# Altium PCB motordriver-v5.2.PcbDoc (part 7 of 7) (continued)
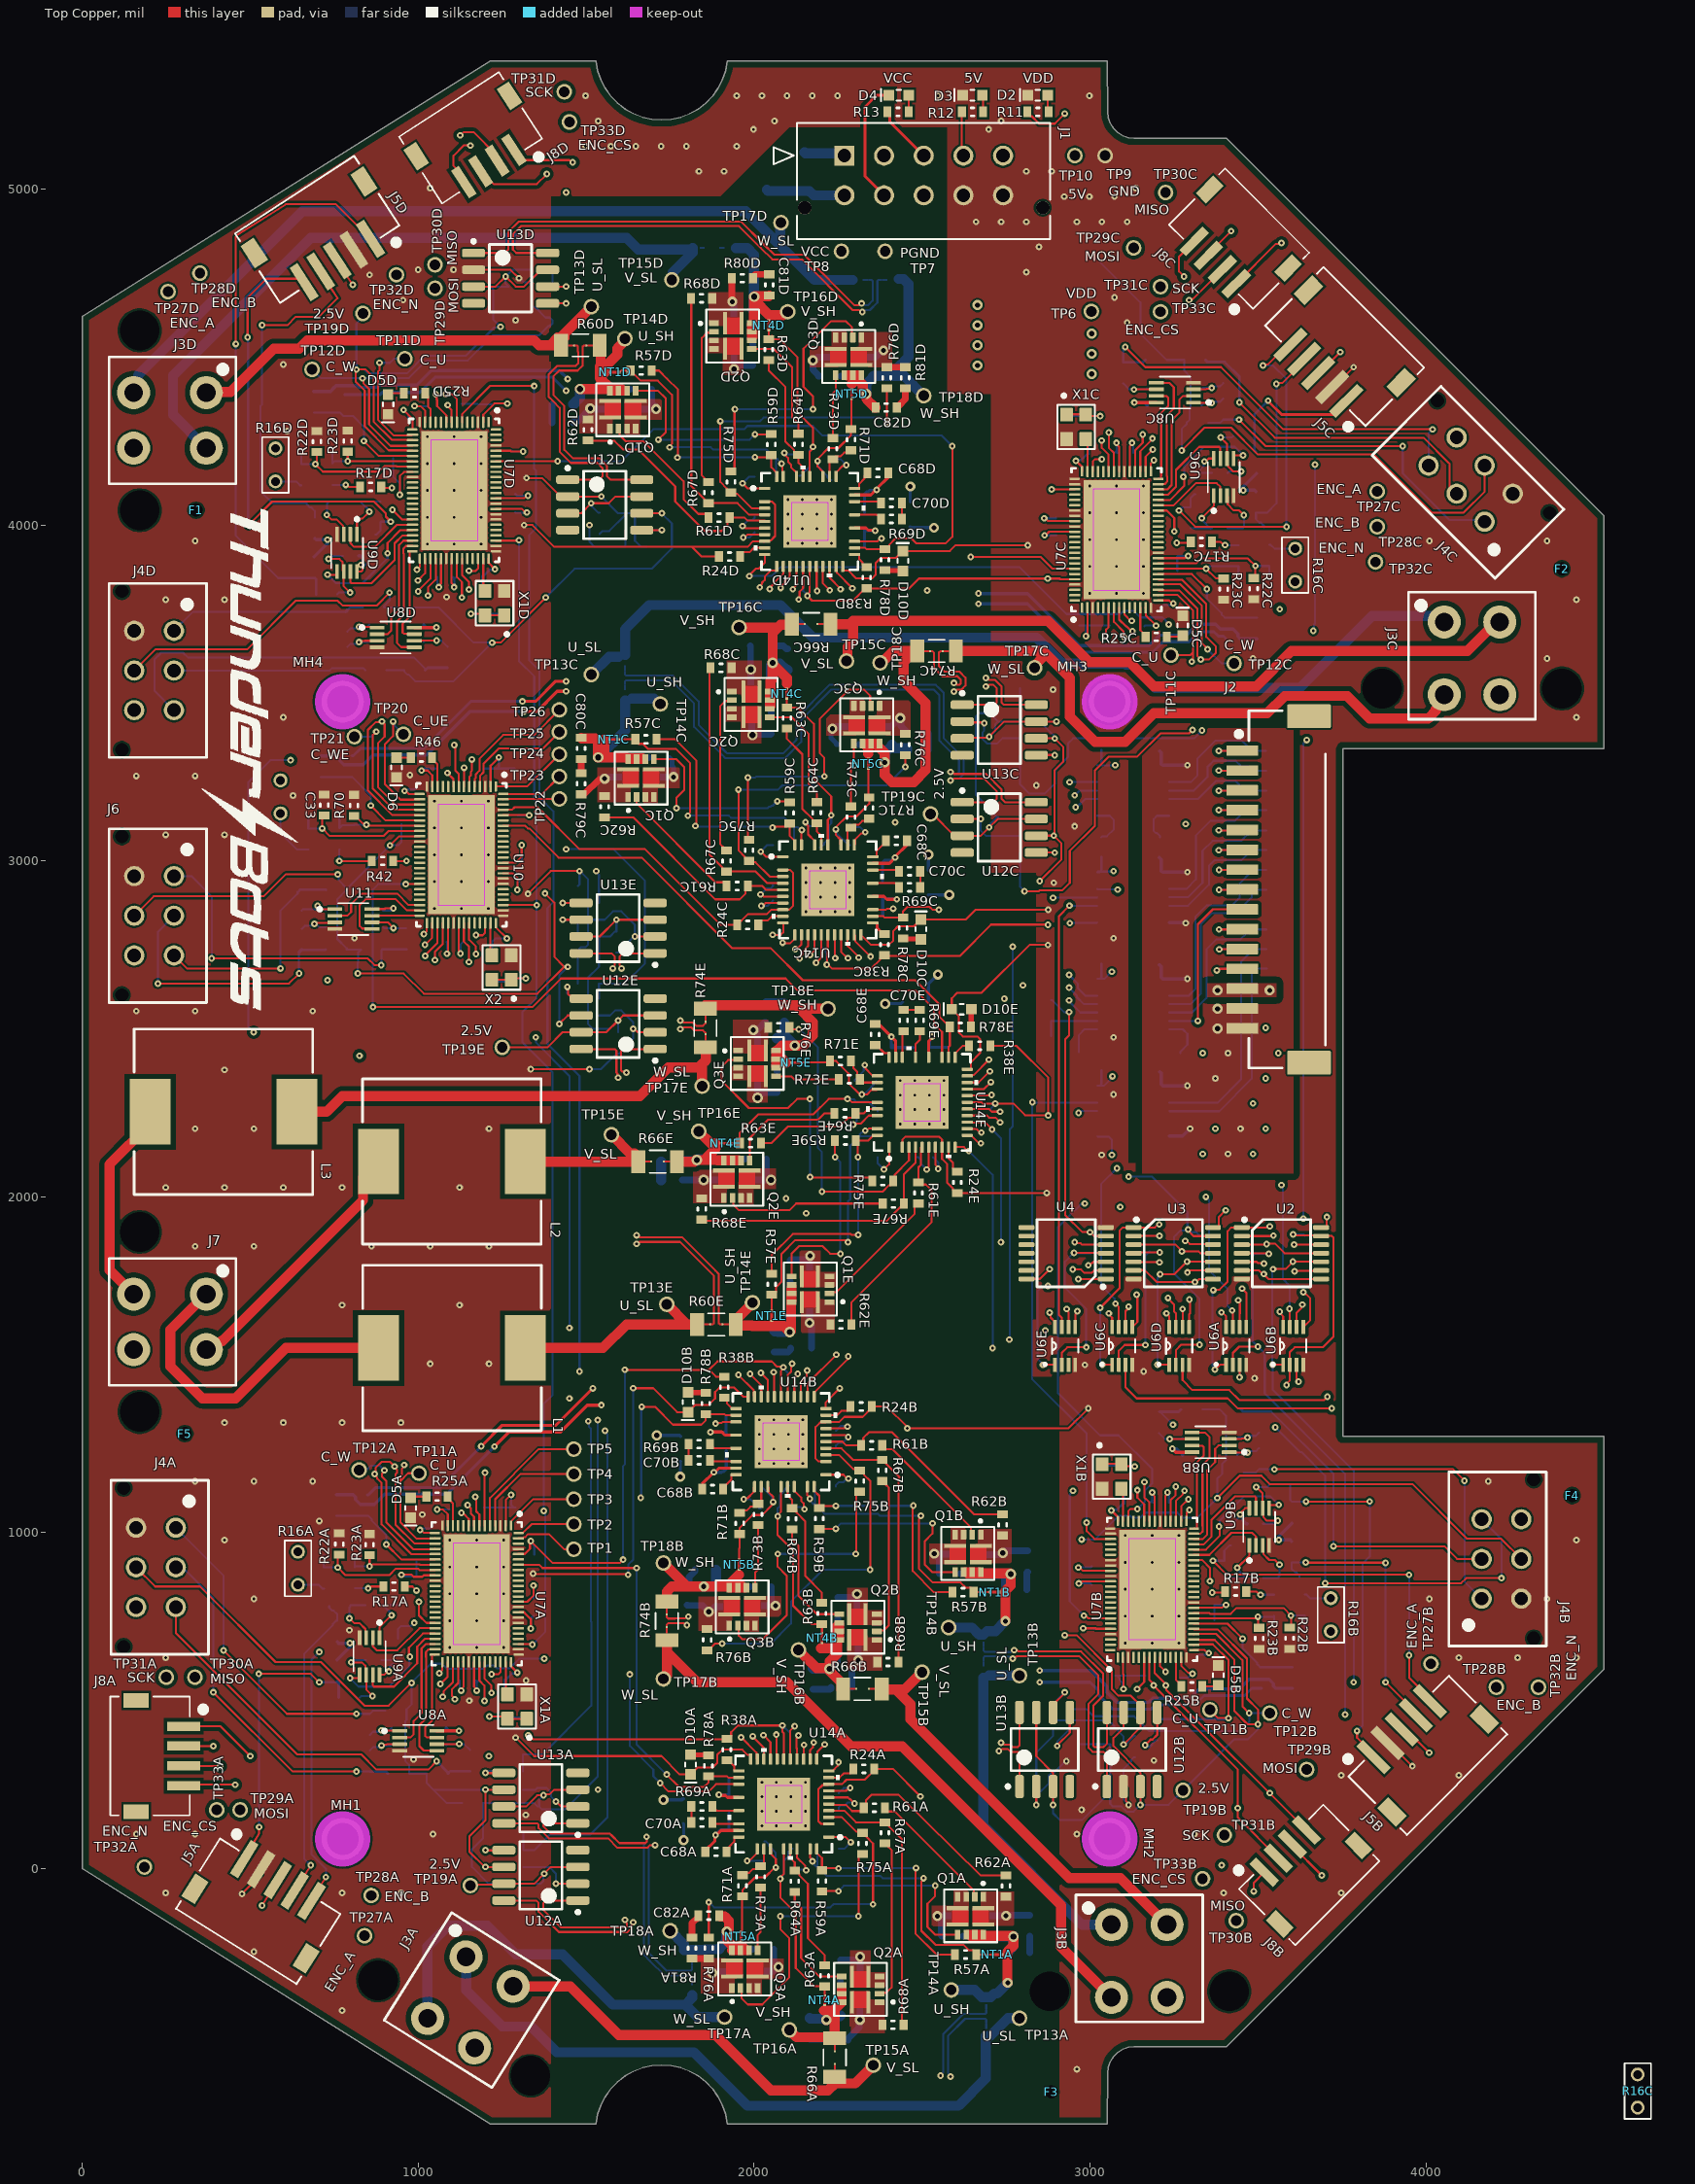
[diagram p0: Top Copper view]
## Nets (pads, with @x,y where several pads share a name; then routed paths per layer and width w, separated by ;. In a path a pad name is that pad's centre, name@x,y a point inside that pad or via, vN(x,y) a via of type N, cw(c..) or ccw(c..) an arc to the next point about the centre after c; other vN are vias at no path point) (continued)
  Top Copper w6: U13A.1@1475.24,135 1375.51,135 1372,131.49 1372,126.51 1394.41,104.1 1570.9,104.1 1575,100 1598.84,76.16 1676.26,76.16 1680,79.9 v1(1680,95)
  Bottom Copper w6: v1(1680,95) 1680,79.9 1672.16,72.06 1672.16,-256.96 1690.15,-274.95 1732.99,-317.79 1811.14,-317.79 1814.65,-321.3 R74A.S1@1814.65,-329.54
W_SENSEA_P: R74A.S2 U13A.8 | length 987.8
  Top Copper w6: U13A.8@1254.76,135 1354.49,135 1358,131.49 1358,120.72 1388.62,90.1 1565.1,90.1 1593.04,62.16 1682.06,62.16 1689.9,70 v1(1705,70)
  Bottom Copper w6: v1(1705,70) 1689.9,70 1686.16,66.26 1686.16,-251.16 1705,-270 1738.79,-303.79 1811.14,-303.79 1814.65,-300.27 R74A.S2@1814.65,-292.04
W_SENSEB_N: R74B.S1 U13B.1 | length 1401.2
  Top Copper w6: R74B.S1@1740,718.73 1740,726.97 1743.51,730.48 1769.67,730.48 1769.88,730.69 1790.6,730.69 1796.3,725 v1(1800,725) ; 2738.08,355.69 2755.93,355.69 2763.85,347.76 2785,347.76 2790,342.76 U13B.1@2790,244.53
  Signal Layer 2 w6: 1809.4,730.69 1819.51,730.69 1826,724.2 1826,559.5 1879.5,506 2494.95,506 2645.55,355.39 2719.76,355.39 2725.07,350.08 v1(2728.77,350.08)
W_SENSEB_P: R74B.S2 U13B.8 | length 1401.6
  Top Copper w6: R74B.S2@1740,756.23 1740,748 1743.51,744.48 1763.87,744.48 1764.08,744.69 1794.52,744.69 1800.21,750.39 v1(1803.91,750.39) ; 2744.01,369.69 2761.73,369.69 2769.65,361.76 2785,361.76 2790,366.76 U13B.8@2790,465
  Signal Layer 2 w6: 1813.31,744.69 1825.31,744.69 1840,730 1840,565.3 1885.3,520 2500.74,520 2651.35,369.39 2725.69,369.39 2731.3,375 v1(2735,375)
W_SENSEC_N: R74C.S1 U13C.1 | length 482.3
  Top Copper w6: R74C.S1@2562.02,3625 2555,3625 2550,3620 2550,3580 2566,3564 2610.8,3564 2629,3545.8 2629,3521.87 2617.28,3510.16 2604.55,3510.16 2598.7,3504.32 v1(2595,3504.32) ; U13C.1@2619.53,3465 2716.28,3465 2722.76,3471.49 2722.76,3513.2 2710.81,3525.16 2699.55,3525.16
  Signal Layer 2 w6: 2604.55,3510.16 2633.8,3510.16 2648.8,3525.16 2680.45,3525.16 2686.3,3519.32 v1(2690,3519.32)
W_SENSEC_P: R74C.S2 U13C.8 | length 481.2
  Top Copper w6: R74C.S2@2524.52,3625 2530,3625 2536,3619 2536,3574.2 2560.2,3550 2605,3550 2615,3540 2615,3527.67 2611.49,3524.16 2604.55,3524.16 2598.7,3530 v1(2595,3530) ; 2699.55,3539.16 2716.6,3539.16 2736.76,3519 2736.76,3471.49 2743.25,3465 U13C.8@2840,3465
  Signal Layer 2 w6: 2604.55,3524.16 2628,3524.16 2643,3539.16 2680.45,3539.16 2686.3,3545 v1(2690,3545)
W_SENSED_N: R74D.S1 U13D.1 | length 1431.3
  Top Copper w6: U13D.1@1164.53,4810 1257.76,4810 1267.76,4820 1267.76,4871.76 1300,4904 1960.8,4904 2024.9,4839.9 2059.8,4805 2148.35,4805 2299.15,4654.2 2310.5,4654.2
  Bottom Copper w6: v1(2320,4660) 2323.7,4660 2329.5,4654.2 2338.84,4654.2 2353,4668.36 2353,4726.49 2349.49,4730 R74D.S1@2341.25,4730
W_SENSED_P: R74D.S2 U13D.8 | length 1431.3
  Top Copper w6: U13D.8@1385,4810 1291.76,4810 1281.76,4820 1281.76,4865.96 1305.8,4890 1955,4890 2019.95,4825.05 2054,4791 2142.55,4791 2293.35,4640.2 2312.67,4640.2
  Bottom Copper w6: v1(2322.17,4634.41) 2325.88,4634.41 2331.67,4640.2 2344.64,4640.2 2367,4662.56 2367,4726.49 2370.51,4730 R74D.S2@2378.75,4730
W_SENSEE_N: R74E.S1 U13E.1 | length 607.2
  Top Copper w6: 1599.16,2689.55 1599.16,2715 1609.16,2725 U13E.1@1705.24,2725 ; v1(1780,2499.31) 1783.7,2499.31 1789.55,2505.16 1812.18,2505.16 1821.86,2495.48 1848.12,2495.48 1855,2488.6 R74E.S1@1855,2483.73
  Signal Layer 2 w6: 1599.16,2670.45 1599.16,2659.19 1609.35,2649 1771.8,2649 1799.9,2620.9 1799.9,2578.81 1816.36,2562.36 1816.36,2516.87 1798.84,2499.36 v1(1780,2499.31) v1(1780,2499.31)
  other v1: 1605,2680
W_SENSEE_P: R74E.S2 U13E.8 | length 575.4
  Top Copper w6: U13E.8@1484.76,2725 1575.16,2725 1585.16,2715 1585.16,2689.55 ; v1(1780,2525) 1783.7,2525 1789.55,2519.16 1817.98,2519.16 1827.66,2509.48 1848.12,2509.48 1855,2516.36 R74E.S2@1855,2521.23
  Signal Layer 2 w6: 1585.16,2670.45 1585.16,2653.4 1603.55,2635 1766,2635 1785.9,2615.1 1785.9,2573.01 1802.36,2556.56 1802.36,2522.67 1782.33,2522.67 v1(1780,2525)
  other v1: 1579.31,2680
W_SWA: C69A.1 C82A.1 NT5A.1 Q3A.8 R74A.2 TP18A.1 | length 444.4
  Top Copper w28: Q3A.8@1933.75,-242.68 Q3A.8@1936.43,-240 ; Q3A.8@1933.75,-229.05 1949.3,-229.05 1951.19,-230.93 1959.34,-230.93 1965.93,-230.93 1975,-240
  Top Copper w30: C82A.1@1900.6,-142.04 1912.04,-142.04 1925,-155 1925,-180.92 v3(1918.99,-186.93) 1920.9,-188.85 1920.9,-216.2 Q3A.8@1933.75,-229.05 ; Q3A.8@1936.43,-240 1975,-240
  Bottom Copper w30: TP18A.1@1750,-185 1790.99,-225.99 1790.99,-242.64 1852.47,-242.64 1855.18,-239.93 C69A.1@1896.99,-239.93 1896.99,-235.99 1917.08,-215.91 1917.08,-188.85 v3(1918.99,-186.93)
W_SWB: C69B.1 C82B.1 NT5B.1 Q3B.8 R74B.2 TP18B.1 | length 490.8
  Top Copper w28: Q3B.8@1925.87,836.06 Q3B.8@1925.87,840
  Top Copper w30: TP18B.1@1730,910 1800,840 ; R74B.2@1740,806.23 1740,825 1755,840 1800,840 ; 1955,875 1925.87,845.87 Q3B.8@1925.87,840 ; 1965.6,840 Q3B.8@1925.87,840 ; 1800,840 v3(1850,840) Q3B.8@1925.87,840
  Bottom Copper w30: v3(1850,840) 1850.6,839.4 1888.52,839.4 1888.52,843.34 1886.5,845.37 C82B.1@1886.5,890
W_SWC: C69C.1 C82C.1 NT5C.1 Q3C.8 R74C.2 TP18C.1 | length 937.8
  Top Copper w28: Q3C.8@2344.03,3345 Q3C.8@2348.16,3349.13
  Top Copper w30: Q3C.8@2330.6,3345 2344.03,3345 2339.65,3340.62 2339.65,3320.13 ; Q3C.8@2348.16,3345 2365,3345 2388.51,3321.49 v3(2388.51,3293.39) 2388.51,3256.49 2410,3235 2475,3235 2510,3270 2510,3470 2445,3535 2445,3592.35 R74C.2@2475.6,3622.96 ; TP18C.1@2375,3590 2380.3,3590 2415.3,3625 R74C.2@2485.79,3625
  Bottom Copper w30: v3(2388.51,3293.39) 2390.42,3295.3 2390.42,3322.36 C69C.1@2410.51,3342.45 ; C69C.1@2410.51,3346.39 C69C.1@2410.51,3342.45 ; C82C.1@2455,3330 2455,3333.94 2453.19,3335.75 2417.21,3335.75 C69C.1@2410.51,3342.45
W_SWD: C69D.1 C82D.1 NT5D.1 Q3D.8 R74D.2 TP18D.1 | length 734.9
  Top Copper w28: Q3D.8@2294.05,4445 Q3D.8@2294.05,4445.81
  Top Copper w30: 2276.73,4445 Q3D.8@2294.05,4445 ; 2290,4420 2294.05,4424.05 Q3D.8@2294.05,4445 ; 2306.44,4445 Q3D.8@2294.05,4445 ; 2307.63,4433.8 2324,4417.43 2324,4400.47 v3(2334.4,4390.07) 2334.4,4375.17 2359.57,4350 C82D.1@2362.01,4350
  Bottom Copper w30: v3(2334.4,4390.07) 2334.4,4421.07 2353.21,4439.88 2353.21,4442.32 2353.96,4443.07 C69D.1@2356.4,4443.07 2357.15,4443.82 2403.82,4443.82 ; R74D.2@2429.95,4732.5 2444.93,4732.5 2460,4717.43 2460,4500 2403.82,4443.82 ; TP18D.1@2505,4385 2446.18,4443.82 2403.82,4443.82
W_SWE: C69E.1 C82E.1 NT5E.1 Q3E.8 R74E.2 TP18E.1 | length 777.1
  Top Copper w28: Q3E.8@2068.37,2435.72 Q3E.8@2065.24,2435.72 Q3E.8@2070,2430.97
  Top Copper w30: R74E.2@1855,2570 2125,2570 2135,2560 ; Q3E.8@2068.37,2435.72 2083.13,2450.48 v3(2120.99,2450.48) 2145.48,2450.48 2175,2480 2175,2520 2135,2560 ; 2070,2395 Q3E.8@2070,2410 ; Q3E.8@2070,2430.97 Q3E.8@2070,2410 ; 2095,2400 2085,2410 Q3E.8@2070,2410 ; TP18E.1@2220,2560 2135,2560
  Bottom Copper w30: C69E.1@2068,2472.47 2068.76,2473.23 2098.23,2473.23 ; C82E.1@2090,2518.5 2090,2481.47 2098.23,2473.23 ; v3(2120.99,2450.48) 2098.23,2473.23
WA: J3A.3 R74A.1 TP17A.1 | length 1273.1
  Bottom Copper w30: J3A.3@1027.59,-446.01 1027.59,-323.57 1027.43,-323.41 1027.43,-232.57 1090,-170 1205,-170 1290,-255 1430,-255 1580,-405 1795,-405 ; R74A.1@1815.6,-377.04 1815.6,-384.4 1795,-405 ; TP17A.1@1911.99,-441.93 1831.93,-441.93 1795,-405
WB: J3B.3 R74B.1 TP17B.1 | length 1927.4
  Top Copper w30: TP17B.1@1733.83,568.83 1740,575 1740,645 ; R74B.1@1740,671.25 1740,645 ; J3B.3@3063.99,-383.3 2914,-233.31 2914,-109.56 2440.44,364 2289,364 2098,555 1830,555 1740,645
WC: J3C.3 R74C.1 TP17C.1 | length 1823.7
  Top Copper w30: R74C.1@2600.75,3625 2860,3625 ; TP17C.1@2835,3575 2835,3582.17 2860,3607.17 2860,3625 ; J3C.3@4049.54,3499.98 4049.54,3471.38 4029.74,3451.58 4029.74,3446.67 4007.13,3424.06 3832.72,3424.06 3765.53,3491.24 3578.76,3491.24 3527.52,3440 3190,3440 3105,3355 3015,3355 2940,3430 2940,3545 2868.92,3616.08 2860,3625
WD: J3D.3 R74D.1 TP17D.1 | length 2540.2
  Bottom Copper w30: J3D.3@152.45,4394.42 165.55,4407.51 165.55,4445.55 655,4935 1975,4935 2077.66,4832.34 ; TP17D.1@2080,4900 2077.66,4897.66 2077.66,4832.34 ; R74D.1@2292.81,4729.69 2180.31,4729.69 2077.66,4832.34
WE: L3.2 R74E.1 TP17E.1 | length 1375.9
  Top Copper w30: L3.2@638.49,2253.07 727.07,2253.07 774,2300 1660,2300 1745,2385 1835,2385 1845,2395 ; TP17E.1@1845,2330 1845,2395 ; R74E.1@1856.01,2436.01 1856.01,2406.01 1845,2395
WHA: U7A.46 U14A.19 | length 1102
  Top Copper w6: U7A.46@1181.94,615.44 1181.94,560.12 1196.99,545.07 v1(1196.99,499.07) ; v1(1995.99,394.07) 1995.99,393.07 2029,360.06 U14A.19@2029,326.26
  Signal Layer 1 w6: v1(1196.99,499.07) 1223.15,472.91 1406.03,472.91 1445.94,433 1785.03,433 1871.03,347 1977,347 1995.99,365.99 v1(1995.99,394.07)
WHB: U7B.46 U14B.19 | length 1561.4
  Top Copper w6: v1(1988.12,1472.81) 1988.12,1471.81 2021.13,1438.8 U14B.19@2021.13,1405 ; v1(3161.99,1150.88) 3161.99,1104.88 3177.04,1089.84 U7B.46@3177.04,1034.51
  Signal Layer 1 w6: v1(1988.12,1472.81) 2070.92,1390 2165.2,1390 2206.06,1349.13 2645.87,1349.13 2715.03,1279.97 3100.03,1279.97 3175,1205 3175,1163.89 v1(3161.99,1150.88)
WHC: U7C.46 U14C.19 | length 2388.7
  Top Copper w6: U14C.19@2278.5,2780.19 2278.5,2746.4 2311.51,2713.39 v1(2311.51,2712.39) ; v1(3055.99,4275.78) 3055.99,4229.78 3071.04,4214.73 U7C.46@3071.04,4159.41
  Signal Layer 1 w6: v1(2311.51,2712.39) 2311.51,2731.51 2332.96,2752.96 2587.7,2752.96 2774.31,2939.57 2774.31,4236.33 2840.01,4302.04 3019.08,4302.04 3019.19,4301.93 3029.83,4301.93 v1(3055.99,4275.78)
WHD: U7D.46 U14D.19 | length 1433.9
  Top Copper w6: U7D.46@1114.94,3900.44 1114.94,3845.12 1129.99,3830.07 v1(1129.99,3784.07) ; U14D.19@2224.39,3876.88 2224.39,3843.08 2257.4,3810.07 v1(2257.4,3809.07)
  Signal Layer 1 w6: v1(1129.99,3784.07) 1235.62,3784.07 1334.51,3882.96 1824.51,3882.96 1861.78,3920.23 2050.66,3920.23 2082.89,3888 2178.47,3888 v1(2257.4,3809.07)
WHE: U10.46 U14E.19 | length 2093.8
  Top Copper w6: U10.46@1135.75,2815.6 1135.75,2760.27 1150.8,2745.23 v1(1150.8,2699.23) ; U14E.19@2634.18,2340.47 2667.98,2340.47 2700.99,2373.48 v1(2701.99,2373.48)
  Signal Layer 1 w6: v1(1150.8,2699.23) 1150.8,2622.23 1185.03,2588 1457.29,2588 1507.29,2638 1729.06,2638 1790.06,2699 1949.03,2699 1995.03,2653 2432,2653 2486,2599 2569.03,2599 2663.19,2504.84 2663.19,2391.22 2680.93,2373.48 v1(2701.99,2373.48)
WLA: U7A.47 U14A.20 | length 1023.4
  Top Copper w6: U7A.47@1197.69,615.44 1197.69,587.56 1197.63,587.49 1197.63,565.43 1217.99,545.07 v1(1217.99,523.07) ; v1(1960.99,391.07) 2006.89,345.16 2006.89,328.68 U14A.20@2009.31,326.26
  Signal Layer 1 w6: v1(1217.99,523.07) 1376.93,523.07 1455,445 1790,445 1876,359 1952,359 1960.99,367.99 v1(1960.99,391.07)
WLB: U7B.47 U14B.20 | length 1587.1
  Top Copper w6: v1(1953.12,1469.81) 1999.02,1423.9 1999.02,1407.42 U14B.20@2001.44,1405 ; v1(3140.99,1126.88) 3140.99,1104.88 3161.35,1084.52 3161.35,1062.46 3161.29,1062.39 U7B.47@3161.29,1034.51
  Signal Layer 1 w6: v1(1953.12,1469.81) 2047.92,1375 2163.23,1375 2201.09,1337.13 2640.89,1337.13 2710.06,1267.97 3095.06,1267.97 3160,1203.03 3160,1184.82 3140.99,1165.81 v1(3140.99,1126.88)
WLC: U7C.47 U14C.20 | length 2311.3
  Top Copper w6: U14C.20@2298.18,2780.19 2300.61,2777.77 2300.61,2761.29 v1(2346.51,2715.39) ; v1(3034.99,4251.78) 3034.99,4229.78 3055.35,4209.41 3055.35,4187.35 3055.29,4187.29 U7C.47@3055.29,4159.41
  Signal Layer 1 w6: v1(2346.51,2715.39) 2346.51,2731.51 2355.92,2740.92 2592.68,2740.92 2786.35,2934.59 2786.35,4231.35 2845,4290 2996.77,4290 v1(3034.99,4251.78)
WLD: U7D.47 U14D.20 | length 1428.3
  Top Copper w6: U7D.47@1130.69,3900.44 1130.69,3872.56 1130.63,3872.49 1130.63,3850.43 1150.99,3830.07 v1(1150.99,3808.07) ; U14D.20@2244.08,3876.88 2246.5,3874.46 2246.5,3857.97 v1(2292.4,3812.07)
  Signal Layer 1 w6: v1(1150.99,3808.07) 1242.59,3808.07 1329.52,3895 1819.52,3895 1856.75,3932.23 2055.63,3932.23 2087.86,3900 2204.47,3900 v1(2292.4,3812.07)
WLE: U10.47 U14E.20 | length 2042.1
  Top Copper w6: U10.47@1151.5,2815.6 1151.5,2787.72 1151.44,2787.65 1151.44,2765.59 1171.8,2745.23 v1(1171.8,2723.23) ; U14E.20@2634.18,2360.15 2636.6,2362.58 2653.09,2362.58 v1(2698.99,2408.48)
  Signal Layer 1 w6: v1(1171.8,2723.23) 1171.8,2618.2 1190,2600 1452.32,2600 1502.32,2650 1724.09,2650 1785.09,2711 1954,2711 2000,2665 2440,2665 2494,2611 2574,2611 2675.19,2509.81 2675.19,2432.28 v1(2698.99,2408.48)
~DBGSPI_CSB: U7B.75
~DBGSPI_CSC: U7C.75
~DBGSPI_CSD: U7D.75
~ENC_CS0: J8A.1 TP33A.1 U6A.3 | length 5298.7
  Top Copper w6: J8A.1@301.73,423.94 411.06,423.94 v1(500,335) ; v1(3445.24,1462.84) U6A.3@3445.24,1500.07
  Signal Layer 1 w6: v1(3392.3,10) 3575,192.7 3575,495 3550,520 3550,835 3525,860 3525,1379.48 3445.24,1459.24 v1(3445.24,1462.84)
  Signal Layer 2 w6: TP33A.1@400,175 450,125 485,125 515,155 515,320 v1(500,335) 655,335 850,140 1021.25,140 1031.25,130 1545,130 1735,-60 2165,-60 2195,-30 2275,-30 2345,40 2510,40 2540,10 v1(3392.3,10)
~ENC_CS1: J8B.1 TP33B.1 U6B.3 | length 1912.3
  Top Copper w6: v1(3487.51,-67.49) 3487.51,-42.05 J8B.1@3519.07,-10.49 ; U6B.3@3614.99,1500.07 3614.99,1459.61 3621.05,1453.55 v1(3621.05,1449.84)
  Signal Layer 1 w6: v1(3487.51,-67.49) 3605,50 3605,570 3660,625 3660,872.5 3680,892.5 3680,1140 3621.05,1198.95 v1(3621.05,1449.84)
  Signal Layer 2 w6: TP33B.1@3335,-30 3450.02,-30 v1(3487.51,-67.49)
~ENC_CS2: J8C.1 TP33C.1 U6C.3 | length 4960.2
  Top Copper w6: U6C.3@3105.74,1500.07 3105.74,1432.96 3138.7,1400 3410,1400 3440,1370 v1(3720,1370) ; J8C.1@3435.49,4719.07 3553.81,4837.38 3567.38,4837.38 v1(3570,4840)
  Signal Layer 1 w6: v1(3570,4840) 3544.34,4814.34 3544.34,4632.58 3804.34,4372.58 3804.34,3664.34 3729.34,3589.34 3729.34,1395.54 3722.62,1388.82 3722.62,1372.62 v1(3720,1370)
  Signal Layer 2 w6: TP33C.1@3210,4635 3365,4635 v1(3570,4840)
~ENC_CS3: J8D.1 TP33D.1 U6D.3 | length 6731
  Top Copper w6: J8D.1@1284.53,5117.16 1315.3,5086.4 1449.9,5086.4 1456.3,5080 v1(1460,5080) ; U6D.3@3275.49,1500.07 3275.49,1454.51 3305,1425 3415,1425 3445,1395 3696.14,1395 3706.14,1405 v1(3706.49,1405)
  Signal Layer 1 w6: v1(1460,5080) 1795,5080 1970,5255 2855,5255 2856.76,5253.24 3000,5110 3000,5085 3025,5060 3290,5060 3525,4825 3525,4630 3785,4370 3785,3672.35 3710,3597.35 3710,2075 3705,2070 3705,1975 3682.16,1952.16 3682.16,1909.34 3706.49,1885 v1(3706.49,1405)
  Signal Layer 2 w6: TP33D.1@1450,5200 1457.38,5192.62 1457.38,5082.62 v1(1460,5080)
~RST: J2.12 R77L.2 | length 121.2
  Top Copper w6: v1(3377.39,2674.28) 3381.09,2674.28 3385.64,2678.84 J2.12@3453.18,2678.84
  Bottom Copper w6: v1(3377.39,2674.28) 3381.09,2674.28 3386.8,2680 R77L.2@3418.5,2680
~RST_FILTER: C52L.2 R77L.1 U15B.4 | length 659.2
  Bottom Copper w6: U15B.4@3236.06,2255.74 3236.8,2255 3385,2255 3481.5,2351.5 R77L.1@3481.5,2680 C52L.2@3526.5,2680
~RST_ISO: U7A.50 U7B.50 U7C.50 U7D.50 U10.50 U15B.13 | length 11812.5
  Top Copper w6: v1(1150.97,3864.07) 1151.4,3863.63 1171.06,3863.63 1177.93,3870.51 U7D.50@1177.93,3900.44 ; v1(1171.78,2779.23) 1172.21,2778.79 1191.87,2778.79 1198.75,2785.66 U10.50@1198.75,2815.6 ; v1(1217.97,579.07) 1218.4,578.63 1238.06,578.63 1244.93,585.51 U7A.50@1244.93,615.44 ; U7C.50@3008.05,4159.41 3008.05,4189.34 3014.92,4196.21 3034.58,4196.21 v1(3035.01,4195.78) ; U7B.50@3114.05,1034.51 3114.05,1064.45 3120.92,1071.32 3140.58,1071.32 v1(3141.01,1070.88)
  Signal Layer 1 w6: v1(1210,335) 1211.52,333.48 1726.52,333.48 1990,70 2220,70 2425,275 3044.43,275 3330,560.57 3330,960 3219.12,1070.88 v1(3141.01,1070.88) ; v1(2984.48,1980.17) 2966.11,1998.54 v1(2966.11,2250.16) 2966.11,2330.72 2715,2581.83 2715,2620 2800,2705 2931.14,2705 2961.68,2735.54 2961.68,2936.11 2934.66,2963.13 2934.66,3163.7 2910,3188.35 2910,3255 2930,3275 2930,3670 2900,3700 2900,4060.77 v1(3035.01,4195.78)
  Signal Layer 2 w6: v1(1150.97,3864.07) 1165.29,3849.74 ; v1(1171.78,2779.23) 1190.64,2760.36 1190.64,2712.42 1123.22,2645 v1(730,2645) 730,2810 545,2995 545,3430 675,3560 1055,3560 1190,3695 1190,3825.04 1165.29,3849.74 ; v1(1210,335) 1210,408.85 1240,438.85 1240,470.79 1257.35,488.14 1257.35,539.69 v1(1217.97,579.07) ; v1(3035.01,4195.78) 3020.76,4210.03 2805.03,4210.03 2469.93,3874.93 1978.43,3874.93 1953.24,3849.74 1165.29,3849.74
  Bottom Copper w6: v1@2966.27,2250 2969.66,2250 2975.39,2255.74 U15B.13@3021.5,2255.74 ; v1(2984.48,1980.17) 2981.86,1977.56 2972.56,1977.56 2938.78,1943.78 2905,1910 2905,1415 3030,1290 3085,1290 3185,1190 3185,1147.25 3163.7,1125.95 3163.7,1093.57 v1(3141.01,1070.88)
pads on no net: F1.1 F2.1 F3.1 F4.1 F5.1 J1.M1 J1.M2 J2.0 J3A.4 J3A.MH1 J3B.4 J3B.MH1 J3C.4 J3C.MH1 J3D.4 J3D.MH1 J4A.6 J4A.MH1 J4A.MH2 J4B.6 J4B.MH1 J4B.MH2 J4C.6 J4C.MH1 J4C.MH2 J4D.6 J4D.MH1 J4D.MH2 J5A.6 J5A.7 J5B.6 J5B.7 J5C.6 J5C.7 J5D.6 J5D.7 J6.6 J6.MH1 J6.MH2 J7.4 J7.MH1 J8A.S1 J8A.S2 J8B.S1 J8B.S2 J8C.S1 J8C.S2 J8D.S1 J8D.S2 MH1.1 MH2.1 MH3.1 MH4.1 R16C.1@4630.6,-711.25 R16C.2@4630.6,-612.83 U4.8 U4.9 U4.10 U4.11 U4.12 U4.13 U7A.10 U7A.11 U7A.25 U7A.26 U7A.27 U7A.28 U7A.29 U7A.30 U7A.31 U7A.48 U7A.49 U7A.56 U7A.57 U7A.58 U7A.64 U7A.65 U7A.66 U7A.67 U7A.68 U7A.69 U7A.71 U7A.74 U7B.10 U7B.11 U7B.25 U7B.26 U7B.27 U7B.28 U7B.29 U7B.30 U7B.31 U7B.48 U7B.49 U7B.56 U7B.57 U7B.58 U7B.64 U7B.65 U7B.66 U7B.67 U7B.68 U7B.69 U7B.71 U7B.74 U7C.10 U7C.11 U7C.25 U7C.26 U7C.27 U7C.28 U7C.29 U7C.30 U7C.31 U7C.48 U7C.49 U7C.56 U7C.57 U7C.58 U7C.64 U7C.65 U7C.66 U7C.67 U7C.68 U7C.69 U7C.71 U7C.74 U7D.10 U7D.11 U7D.25 U7D.26 U7D.27 U7D.28 U7D.29 U7D.30 U7D.31 U7D.48 U7D.49 U7D.56 U7D.57 U7D.58 U7D.64 U7D.65 U7D.66 U7D.67 U7D.68 U7D.69 U7D.71 U7D.74 U10.10 U10.11 U10.25 U10.26 U10.27 U10.28 U10.29 U10.30 U10.31 U10.33 U10.34 U10.35 U10.48 U10.49 U10.56 U10.57 U10.58 U10.64 U10.65 U10.66 U10.67 U10.68 U10.69 U10.71 U10.74 U12A.4 U12B.4 U12C.4 U12D.4 U12E.4 U13A.4 U13B.4 U13C.4 U13D.4 U13E.4
copper on no net:
  other v1: 1535,235

## Polygon pours and split planes (outlines as drawn)
VDD on Bottom Copper "VDD_L06_P300" (solid, pour order 300): 2629.99,4718.08 2629.99,4400.07 3038.99,4400.07 3038.99,4670.07 2695.99,4670.07 2695.99,4718.08
5V on Bottom Copper "5V_L06_P335" (solid, pour order 335): 2582.99,5139.07 2582.99,5049.07 2885.99,5049.07 2885.99,4745.07 2948.99,4745.07 2948.99,4771.07 3048.99,4771.07 3048.99,4916.07 2936.99,4916.07 2936.99,5065.07 2979.99,5065.07 2979.99,5139.07
GND on Bottom Copper "GND_L06_P395" (solid, pour order 395): -104.01,-939.64 1395,-939.64 1395,4980 1900,4980 2105,5185 2575,5185 2575,4390 2705,4390 2705,2965 2840,2965 2840,1635 2830,1635 2830,1465.13 2910,1465.13 2910,-762.48 4537.99,-762.48 4537.99,5737.52 -93.73,5737.52
JETSON_GND on Bottom Copper "JETSON_GND_L06_P329" (solid, pour order 329): 3605,3395 3155,3395 3155,2070 3605,2070
VDD on Bottom Copper "VDD_L06_P302" (solid, pour order 302): 3055.03,1985 3124.98,1985 3124.98,1739.28 3055.03,1739.28
PGND on Bottom Copper "PGND_L06_P347" (solid, pour order 347): 2280.52,3891.88 2280.52,4091.88 2255.52,4091.88 2050.52,4091.88 2050.52,3891.88
PGND on Bottom Copper "PGND_L06_P346" (solid, pour order 346): 2334.62,2795.19 2334.62,3010 2104.62,3010 2104.62,2795.19
PGND on Bottom Copper "PGND_L06_P345" (solid, pour order 345): 2619.18,2396.6 2419.18,2396.6 2419.18,2371.6 2419.18,2166.6 2619.18,2166.6
PGND on Bottom Copper "PGND_L06_P344" (solid, pour order 344): 1972.87,311.26 1972.87,111.26 1997.87,111.26 2205,111.26 2205,311.26
PGND on Bottom Copper "PGND_L06_P337" (solid, pour order 337): 1965,1390 1965,1190 1990,1190 2195,1190 2195,1390
VDD on Bottom Copper "VDD_L06_P328" (solid, pour order 328): 3685.84,1955 3720,1955 3720,1781 3685.84,1781
VDD on Bottom Copper "VDD_L06_P303" (solid, pour order 303): 3374.06,1974.04 3443.56,1974.04 3443.56,1787.04 3374.06,1787.04
GND on Top Copper "GND_L01_P394" (solid, pour order 394): -104.01,-939.64 1395,-939.64 1395,4980 1900,4980 2105,5185 2575,5185 2575,4390 2705,4390 2705,2965 2840,2965 2840,1635 2830,1635 2830,1465.13 2910,1465.13 2910,-762.48 4537.99,-762.48 4537.99,5737.52 -93.73,5737.52
JETSON_3V3 on Top Copper "JETSON_3V3_L01_P341" (solid, pour order 341): 3605,3395 3155,3395 3155,2070 3605,2070
PGND on Top Copper "PGND_L01_P367" (solid, pour order 367): 1958.57,751.33 1933.73,751.33 1933.73,708.16 1834.62,708.16 1834.62,811.6 1958.57,811.6
VCC on Top Copper "VCC_L01_P356" (solid, pour order 356): 1669.24,3278.2 1778.81,3278.2 1778.81,3217.2 1753.49,3217.2 1713.49,3217.2 1713.49,3172.2 1668.49,3172.2
PGND on Top Copper "PGND_L01_P377" (solid, pour order 377): 1966.45,-327.41 1941.6,-327.41 1941.6,-370.58 1842.5,-370.58 1842.5,-267.14 1966.45,-267.14
VCC on Top Copper "VCC_L01_P376" (solid, pour order 376): 1978.26,-267.55 2088.19,-267.55 2088.19,-328.55 2062.5,-328.55 2022.5,-328.55 2022.5,-373.55 1977.5,-373.55
PGND on Top Copper "PGND_L01_P375" (solid, pour order 375): 2345.45,-365.29 2345.45,-390.14 2388.62,-390.14 2388.62,-489.24 2285.18,-489.24 2285.18,-365.29
VCC on Top Copper "VCC_L01_P374" (solid, pour order 374): 2285.59,-353.48 2285.59,-243.55 2346.59,-243.55 2346.59,-269.24 2346.59,-309.24 2391.59,-309.24 2391.59,-354.24
PGND on Top Copper "PGND_L01_P373" (solid, pour order 373): 2650.06,-111.88 2674.91,-111.88 2674.91,-68.71 2774.01,-68.71 2774.01,-172.15 2650.06,-172.15
VCC on Top Copper "VCC_L01_P372" (solid, pour order 372): 2638.26,-171.74 2528.32,-171.74 2528.32,-110.75 2554.01,-110.75 2594.01,-110.75 2594.01,-65.75 2639.01,-65.75
PGND on Top Copper "PGND_L01_P371" (solid, pour order 371): 2642.19,966.86 2667.03,966.86 2667.03,1010.03 2766.14,1010.03 2766.14,906.59 2642.19,906.59
VCC on Top Copper "VCC_L01_P370" (solid, pour order 370): 2630.38,907 2520.44,907 2520.44,967.99 2546.14,967.99 2586.14,967.99 2586.14,1012.99 2631.14,1012.99
PGND on Top Copper "PGND_L01_P369" (solid, pour order 369): 2337.58,713.45 2337.58,688.6 2380.75,688.6 2380.75,589.5 2277.31,589.5 2277.31,713.45
VCC on Top Copper "VCC_L01_P368" (solid, pour order 368): 2277.71,725.26 2277.71,835.19 2338.71,835.19 2338.71,809.5 2338.71,769.5 2383.71,769.5 2383.71,724.5
VCC on Top Copper "VCC_L01_P366" (solid, pour order 366): 1970.38,811.19 2080.32,811.19 2080.32,750.19 2054.62,750.19 2014.62,750.19 2014.62,705.19 1969.62,705.19
PGND on Top Copper "PGND_L01_P365" (solid, pour order 365): 2196.05,1719.4 2196.05,1694.56 2239.21,1694.56 2239.21,1595.46 2135.77,1595.46 2135.77,1719.4
VCC on Top Copper "VCC_L01_P364" (solid, pour order 364): 2136.18,1731.21 2136.18,1841.15 2197.18,1841.15 2197.18,1815.46 2197.18,1775.46 2242.18,1775.46 2242.18,1730.46
PGND on Top Copper "PGND_L01_P363" (solid, pour order 363): 1942.63,2024.01 1917.79,2024.01 1917.79,1980.85 1818.68,1980.85 1818.68,2084.29 1942.63,2084.29
VCC on Top Copper "VCC_L01_P362" (solid, pour order 362): 1954.44,2083.88 2064.38,2083.88 2064.38,2022.88 2038.68,2022.88 1998.68,2022.88 1998.68,1977.88 1953.68,1977.88
PGND on Top Copper "PGND_L01_P361" (solid, pour order 361): 1980.51,2403.02 1980.51,2427.86 1937.34,2427.86 1937.34,2526.97 2040.78,2526.97 2040.78,2403.02
VCC on Top Copper "VCC_L01_P360" (solid, pour order 360): 2040.37,2391.21 2040.37,2281.28 1979.38,2281.28 1979.38,2306.97 1979.38,2346.97 1934.38,2346.97 1934.38,2391.97
PGND on Top Copper "PGND_L01_P359" (solid, pour order 359): 1962.04,3471.75 1962.04,3496.59 1918.87,3496.59 1918.87,3595.7 2022.32,3595.7 2022.32,3471.75
VCC on Top Copper "VCC_L01_P358" (solid, pour order 358): 2021.91,3459.94 2021.91,3350 1960.91,3350 1960.91,3375.7 1960.91,3415.7 1915.91,3415.7 1915.91,3460.7
PGND on Top Copper "PGND_L01_P357" (solid, pour order 357): 1657.43,3218.33 1632.59,3218.33 1632.59,3175.16 1533.49,3175.16 1533.49,3278.6 1657.43,3278.6
PGND on Top Copper "PGND_L01_P355" (solid, pour order 355): 2286.94,4530.55 2311.79,4530.55 2311.79,4573.72 2410.89,4573.72 2410.89,4470.28 2286.94,4470.28
VCC on Top Copper "VCC_L01_P354" (solid, pour order 354): 2275.14,4470.68 2165.57,4470.68 2165.57,4531.68 2190.89,4531.68 2230.89,4531.68 2230.89,4576.68 2275.89,4576.68
PGND on Top Copper "PGND_L01_P353" (solid, pour order 353): 1907.94,4568.43 1907.94,4593.27 1864.77,4593.27 1864.77,4692.38 1968.21,4692.38 1968.21,4568.43
VCC on Top Copper "VCC_L01_P352" (solid, pour order 352): 1967.8,4556.62 1967.8,4447.06 1906.81,4447.06 1906.81,4472.38 1906.81,4512.38 1861.81,4512.38 1861.81,4557.38
PGND on Top Copper "PGND_L01_P351" (solid, pour order 351): 1603.33,4315.01 1578.48,4315.01 1578.48,4271.84 1479.38,4271.84 1479.38,4375.29 1603.33,4375.29
VCC on Top Copper "VCC_L01_P350" (solid, pour order 350): 1615.14,4374.88 1724.7,4374.88 1724.7,4313.88 1699.38,4313.88 1659.38,4313.88 1659.38,4268.88 1614.38,4268.88
PGND on Top Copper "PGND_L01_P349" (solid, pour order 349): 2341.05,3433.87 2365.89,3433.87 2365.89,3477.04 2465,3477.04 2465,3373.6 2341.05,3373.6
VCC on Top Copper "VCC_L01_P348" (solid, pour order 348): 2329.24,3374 2215,3374 2215,3435 2245,3435 2285,3435 2285,3480 2330,3480
JETSON_GND on Top Copper "JETSON_GND_L01_P336" (solid, pour order 336): 3350,2635 3350,2595 3555,2595 3555,2635
GND on GND Layer 1 "GND_L02_P381" (solid, pour order 381): -104.01,-939.64 1395,-939.64 1395,4980 1900,4980 2105,5185 2575,5185 2575,4390 2705,4390 2705,2965 2840,2965 2840,1635 2830,1635 2830,1465.13 2910,1465.13 2910,-762.48 4537.99,-762.48 4537.99,5737.52 -93.73,5737.52
PGND on GND Layer 1 "PGND_L02_P390" (solid, pour order 390): 1425,-785 2885,-785 2885,5168.78 1425,5168.78
JETSON_GND on GND Layer 1 "JETSON_GND_L02_P342" (solid, pour order 342): 3605,3395 3155,3395 3155,2070 3605,2070
5V on PWR Layer "5V_L05_P383" (solid, pour order 383): 2620,5165 2800,5165 2800,5040 2685,5040 2685,4910 2600,4910 2600,4415 2730,4415 2730,2990.48 2860,2990.48 2860,1530 2935,1530 2935,995 2990,995 2990,955 2935,955 2935,160 2910,160 2910,1465 2830,1465 2830,1635 2840,1635 2840,2965 2705,2965 2705,4390 2575,4390 2575,5185 2105,5185 1900,4980 1395,4980 1395,615 1365,615 1365,1040 1345,1040 1345,1090 1365,1090 1365,4380 1365,4440 1365,4696.57 1360,4696.57 1360,5005 1895,5005 2100,5210 2620,5210
VDD on PWR Layer "VDD_L05_P388" (solid, pour order 388): -104.01,-939.64 1395,-939.64 1395,4990 1895,4990 2105,5200 2586.99,5200 2586.99,4398.63 2711.99,4398.63 2711.99,2973.07 2843.99,2973.07 2843.99,1495 2910,1495 2910,-762.48 4537.99,-762.48 4537.99,5737.52 -93.73,5737.52
VCC on PWR Layer "VCC_L05_P389" (solid, pour order 389): 1425,-845 2885,-845 2885,5168.78 1425,5168.78
JETSON_3V3 on PWR Layer "JETSON_3V3_L05_P380" (solid, pour order 380): 3605,3395 3155,3395 3155,2070 3605,2070
5V on PWR Layer "5V_L05_P382" (solid, pour order 382): 3360,1120 3420,1120 3420,765 3385,765 3385,1085 3360,1085
5V on PWR Layer "5V_L05_P384" (solid, pour order 384): 3260,4240 3260,3965 3275,3965 3275,3890 3305,3890 3305,4240
5V on PWR Layer "5V_L05_P385" (solid, pour order 385): 895,3820 930,3820 930,4100 960,4100 960,3785 895,3785
5V on PWR Layer "5V_L05_P386" (solid, pour order 386): 940,890.34 940,540 1000,540 1000,570 965,570 965,890.34

## Keep-outs
Top Copper:
  circle w165: c3058.55,88.6 r0.1
  circle w165: c775.09,88.6 r0.1
  circle w165: c775.09,3474.43 r0.1
  circle w165: c3058.65,3474.43 r0.1
Bottom Copper:
  circle w165: c3058.55,88.6 r0.1
  circle w165: c775.09,88.6 r0.1
  circle w165: c775.09,3474.43 r0.1
  circle w165: c3058.65,3474.43 r0.1

## Other copper
Multi-Layer:
  pour cut-out: 3113.99,2100 3155,2100 3155,3300 3113.99,3300

## Silkscreen, mask and mechanical layers (free items; w line width, h text height)
Top Overlay:
  drawing of 12 lines, arcs and shapes, not listed
  text "VCC" at 2386,5316 h30
  text "5V" at 2626,5316 h30
  text "VDD" at 2801,5316 h30
Bottom Overlay:
  drawing of 12 lines, arcs and shapes, not listed
  text "UBC Thunderbots / Motor Driver / Board V5.2 / Henry Bryant / Francesca Crema / Willem Van Dam" at 1345,2380 h60 r90